# Altium PCB NBRCOR.PcbDoc (continued)
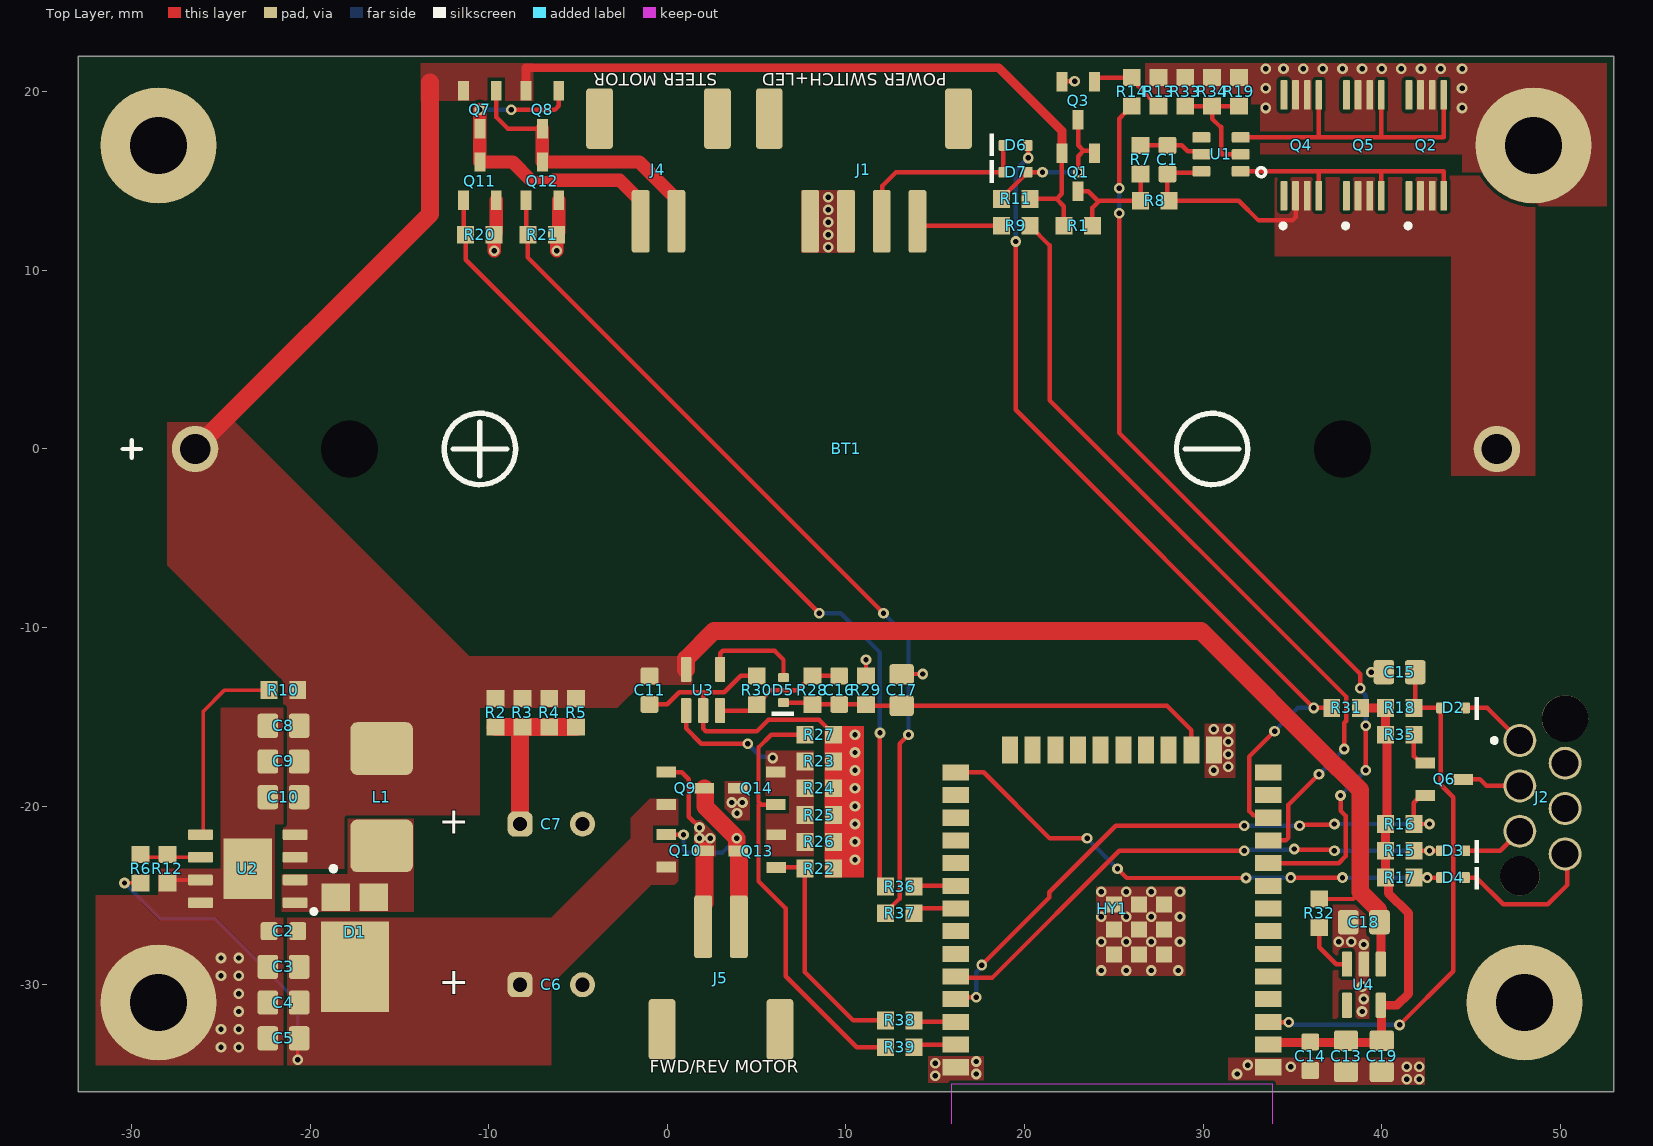
[diagram p0: Top Layer view]
## Part data
BT1: library part CMP-001-0034-5, "Battery Holder 18650 Pc Pin", Max Operating Temperature=180°C, Min Operating Temperature=-40°C, ComponentLink1Description="AliExpress alternative source", ComponentLink1URL=https://www.aliexpress.com/item/33037738446.html, Mounting Technology="Through Hole,PCB", Number of Cells=1, RoHS Compliant=Yes, Series=-, Termination="PC Pin"
C1 C2 C11 C14: library part CMP-072-000593-11, "WCAP-CSGP Multilayer Ceramic Chip Capacitor, General Purpose, size 0603, X7R, 100nF, 25VDC", Capacitor Type=MLCC, Case/Package=0603, Dielectric=X7R, Insulation Resistance=5GO, Max Operating Temperature=125°C, Min Operating Temperature=-55°C, Tolerance=10%, Voltage Rating=25V, ComponentLink1Description="Website Link", ComponentLink1URL=https://www.we-online.com/redexpert/article/885012206071R?ad, ComponentLink2Description="Datasheet Link", ComponentLink2URL=https://www.we-online.com/redexpert/spec/885012206071R?ad, Design Item ID=885012206071R, Dissipation Factor=3.5%, Height=0.8mm, Length=1.6mm, Match Code=WCAP-CSGP, Mounting Technology=SMT, Packaging="Tape and Reel", Pins=2, Source=WCAP-CSGP.SchLib, Technical Reference=X7R0603104K025DFCT20000, Usage="General Purpose", Width=0.8mm
C3 C4 C5 C8 C9 C13 C18 C19: library part CMP-072-000663-12, "WCAP-CSGP Multilayer Ceramic Chip Capacitor, General Purpose, size 0805, X7R, 10µF, 10VDC", Capacitor Type=MLCC, Case/Package=0805, Dielectric=X7R, Insulation Resistance=0.01GO, JLCPCB Part #=C15850, Max Operating Temperature=125°C, Min Operating Temperature=-55°C, Tolerance=10%, Voltage Rating=10V, ComponentLink1Description="Website Link", ComponentLink1URL=https://www.we-online.com/redexpert/article/885012207026?ad, ComponentLink2Description="Datasheet Link", ComponentLink2URL=https://www.we-online.com/redexpert/spec/885012207026?ad, Design Item ID=885012207026, Dissipation Factor=10%, Height=1.25mm, Length=2mm, Match Code=WCAP-CSGP, Mounting Technology=SMT, Packaging="Tape and Reel", Pins=2, Source=WCAP-CSGP.SchLib, Technical Reference=X7R0805106K010DFCT10000, Usage="General Purpose", Width=1.25mm
C6 C7: library part CMP-098-000013-3, "WCAP-PTG5 Aluminum Polymer Capacitor, Radial THT, D8 x H11.5mm, 100µF, 16V", Capacitance=100µF, Capacitance Tolerance=+/-20%, Leakage Current=160µA, Manufacturer="Wurth Elektronik", Operating Temperature Max=105°C, Operating Temperature Min=-55°C, Rated Voltage (DC)=16V, Ripple Current=4800mA, Category="Aluminum Polymer Capacitors", Component Type=Standard, ComponentLink1Description="Website Link", ComponentLink1URL=https://www.we-online.com/redexpert/article/870025374001?ad, ComponentLink2Description="Datasheet Link", ComponentLink2URL=https://www.we-online.com/redexpert/spec/870025374001?ad, Design Item ID=870025374001, Diameter=8mm, Dissipation Factor=8%, Endurance=2000h, ESR=12mO, Height=11.5mm, Manufacturer Part Number=870025374001, Match Code=WCAP-PTG5, Mount="Through Hole", Packaging="Ammo Pack", Pin Count=2, Source=WCAP-PTG5.SchLib, Technical Reference=PTEE115101M016DSPA7B000
C10 C15 C17: library part CMP-072-000659-13, "WCAP-CSGP Multilayer Ceramic Chip Capacitor, General Purpose, size 0805, X7R, 1µF, 10VDC", Capacitor Type=MLCC, Case/Package=0805, Dielectric=X7R, Insulation Resistance=0.5GO, JLCPCB Part #=C28323, Max Operating Temperature=125°C, Min Operating Temperature=-55°C, Tolerance=10%, Voltage Rating=10V, ComponentLink1Description="Website Link", ComponentLink1URL=https://www.we-online.com/redexpert/article/885012207022?ad, ComponentLink2Description="Datasheet Link", ComponentLink2URL=https://www.we-online.com/redexpert/spec/885012207022?ad, Design Item ID=885012207022, Dissipation Factor=5%, Height=1.25mm, Length=2mm, Match Code=WCAP-CSGP, Mounting Technology=SMT, Packaging="Tape and Reel", Pins=2, Source=WCAP-CSGP.SchLib, Technical Reference=X7R0805105K010DFCT10000, Usage="General Purpose", Width=1.25mm
C16: library part CMP-072-000094-12, "WCAP-CSGP Multilayer Ceramic Chip Capacitor, General Purpose, size 0603, NP0, 100pF, 16VDC", Capacitor Type=MLCC, Case/Package=0603, Dielectric=NP0, Insulation Resistance=10GO, Max Operating Temperature=125°C, Min Operating Temperature=-55°C, Tolerance=5%, Voltage Rating=16V, ComponentLink1Description="Website Link", ComponentLink1URL=https://www.we-online.com/redexpert/article/885012006023?ad, ComponentLink2Description="Datasheet Link", ComponentLink2URL=https://www.we-online.com/redexpert/spec/885012006023?ad, Design Item ID=885012006023, Height=0.8mm, Length=1.6mm, Match Code=WCAP-CSGP, Mounting Technology=SMT, Packaging="Tape and Reel", Pins=2, Q Factor=1000, Source=WCAP-CSGP.SchLib, Technical Reference=NP00603101J016DFCT10000, Usage="General Purpose", Width=0.8mm
D1: library part CMP-004-00051-2, "Schottky Rectifier, 45V, 10A, Sot-1289 Rohs Compliant: Yes", Case/Package="TO-277, 3-PowerFDN, SOT1289B", Forward Current=10A, Forward Voltage="540 mV @ 10 A", Max Reverse Voltage (DC)=45V
D2 D3 D4 D5 D6 D7: library part CMP-004-00048-3, "VR=40V IF=200mA 20pF", Case/Package=SOD-523, Forward Current=200mA, Forward Voltage="600 mV @ 200 mA", Max Repetitive Reverse Voltage (Vrrm)=40V, RoHS Compliant=Yes
HY1: library part CMP-00003-4, "WiFi-Modul 802.11/BT 2, 4-2, 5GHz 150Mb/s"
J1: library part CMP-047-000042-2, "WR-WTB SMT Male Horizontal Shrouded Header, pitch 2mm, 4p", Contact Resistance=20mOhm, Operating Temperature="-25 to +85degC", Rated Current=2A, Withstanding Voltage=800VAC, Working Voltage=100VAC, Component Type=Standard, ComponentLink1Description=Manufacturer, ComponentLink1URL=http://www.we-online.de, ComponentLink2Description=Datasheet, ComponentLink2URL=https://www.we-online.com/catalog/datasheet/620104131822.pdf, Design Item ID=620104131822, Gender=Male, Mounting Technology=SMT, Packaging="Tape and Reel", Part Number=620104131822, Pin Count=4, Pin Number=4, Pitch=2mm, Published Date="January 2020", Publisher="Wurth Elektronik", Source=WR-WTB_2.00mm.SchLib, Type=Horizontal
J2: library part CMP-002-000028-7, "WR-WST REDFIT IDC SKEDD, pitch 2.54mm, 6pins", Contact Resistance max.=10mOhm, Operating Temperature="-25 to +105degC", Rated Current=1A, Working Voltage=100V(AC), ComponentLink1Description=Manufacturer, ComponentLink1URL=http://www.we-online.de, ComponentLink2Description=Datasheet, ComponentLink2URL=https://katalog.we-online.com/em/datasheet/490107670612.pdf, Connector Type=Cable,IDC, Contact Plating=Gold, Design Item ID=490107670612, Gender=Transition, Mounting Technology=Press-In, Packaging=Tube, Part Number=490107670612, Pin Number=6, Pitch=2.54mm, Published Date="November 2019", Publisher="Wurth Elektronik", RoHS Compliant=Yes, Series="REDFIT WR-WST", Source=WR-WST.SchLib
J4 J5: library part CMP-047-000040-8, "WR-WTB SMT Male Horizontal Shrouded Header, pitch 2mm, 2p", Contact Resistance=20mOhm, Operating Temperature="-25 to +85degC", Rated Current=2A, Withstanding Voltage=800VAC, Working Voltage=100VAC, Component Type=Standard, ComponentLink1Description=Manufacturer, ComponentLink1URL=http://www.we-online.de, ComponentLink2Description=Datasheet, ComponentLink2URL=https://www.we-online.com/catalog/datasheet/620102131822.pdf, Design Item ID=620102131822, Gender=Male, Mounting Technology=SMT, Packaging="Tape and Reel", Part Number=620102131822, Pin Count=2, Pin Number=2, Pitch=2mm, Published Date="January 2020", Publisher="Wurth Elektronik", Source=WR-WTB_2.00mm.SchLib, Type=Horizontal
L1: library part CMP-086-000079-3, "WE-LHMI SMT Power Inductor, size 7050, 2.2µH, 9.9A, 12mO", Case/Size Code=7050, DC Resistance=11.2mO, DC Resistance Max=12mO, Inductance=2.2µH, Manufacturer="Wurth Elektronik", Operating Temperature Max=125°C, Operating Temperature Min=-40°C, Performance Rated Current=9.9A, Saturation Current @10%=10.5A, Saturation Current @30%=19.1A, Self Resonant Frequency=30MHz, Category="Shielded Power Inductors", Component Type=Standard, ComponentLink1Description="Website Link", ComponentLink1URL=https://www.we-online.com/redexpert/article/74437349022?ad, ComponentLink2Description="Datasheet Link", ComponentLink2URL=https://www.we-online.com/redexpert/spec/74437349022?ad, Design Item ID=74437349022, Height=4.8mm, Length=6.6mm, Manufacturer Part Number=74437349022, Match Code=WE-LHMI, Mount="Surface Mount", Packaging="Tape and Reel", Pin Count=2, Source=WE-LHMI.SchLib, Width=6.6mm
Q1 Q7 Q8 Q9 Q10: library part CMP-013-00056-5, "Trans Mosfet P-ch 30V 4.2A 3-PIN SOT-23 T/r", Case/Package=SOT-23-3, Id - Continuous Drain Current=4.2A, Input Capacitance=1.05nF, JLCPCB Part #=C194253, Max Operating Temperature=150°C, Max Power Dissipation=400mW, Min Operating Temperature=-55°C, Mounting Technology="Surface Mount", Packaging="Cut Tape", Rds On Max=60mR, RoHS Compliant=Yes, Series=-, Transistor Type=PMOS, Vds Max=30V, Vgs(th) (Max) @ Id="-1.3V @ 250µA"
Q2 Q4 Q5: library part CMP-013-00060-3, "Dual common drain NFET for Li-Ion protection"
Q3 Q6: library part CMP-013-00048-9, "NPN Ic=100mA Vceo=65V hfe=200~450 P=225mW SOT-23", Case/Package=SOT-23-3, Ic Max=100mA, Transistor Type=NPN, Vce Max=65V
Q11 Q12 Q13 Q14: library part CMP-013-00054-5, "Trans MOSFET N-CH 20V 4.2A Automotive 3-Pin SOT-23 T/R", Case/Package=SOT-23-3, Continuous Drain Current (ID)=4.2A, Drain to Source Breakdown Voltage=20V, Drain to Source Resistance=25mR, Gate to Source Voltage (Vgs)=8V, Input Capacitance=829.9pF, Max Operating Temperature=150°C, Max Power Dissipation=780mW, Min Operating Temperature=-55°C, Package Quantity=3000, Drain to Source Voltage (Vdss)=20V, Drain-source On Resistance-Max=25mR, Element Configuration=Single, Fall Time=9.6ns, Height=1.1mm, Id - Continuous Drain Current=4.2A, Lead Free="Lead Free", Length=3mm, Mounting Technology="Surface Mount", Number of Channels=1, Number of Elements=1, On-State Resistance=25mR, Packaging="Tape and Reel", Pins=3, Polarity=N-CHANNEL, Power Dissipation=780mW, Rds On Max=25mR, Reach SVHC Compliant=Yes, Rise Time=8.3ns, Series=-, Transistor Type=NMOS, Turn-Off Delay Time=40.1ns, Turn-On Delay Time=8.1ns, Vds Max=20V, Vgs(th) (Max) @ Id="900mV @ 250µA", Weight=0.000282oz, Width=1.4mm
R1 R6 R8 R11 R13 R20 R21 R22 R27 R28 R29 R30: library part CMP-009-00275-7, "Res Thick Film 0603 27K Ohm 1% 0.1W(1/10W) ±100ppm/C Pad SMD Automotive T/R", Case/Package=0603, JLCPCB Part #=C22967, Max Power Dissipation=100mW, Tolerance=1%, Usage="General Purpose"
R2 R3 R4 R5 R10 R32 R36 R37 R38 R39: library part CMP-009-00006-19, "Chip Jumper, Thick Film, Jumper, 0603, 100mW, 1A, 0 Ohm, <50 mOhm", Case/Package=0603, Current Rating=1A, JLCPCB Part #=C21189, Max Operating Temperature=155°C, Min Operating Temperature=-55°C, Power Rating=100mW, Resistor Type="Thick Film", Tolerance="50 mOhm", Voltage Rating=75V, Elements=1, Mounting Technology=SMT, Pins=2, RoHS Compliant=True, Usage=Jumper
R7: library part CMP-009-00232-11, "Chip Resistor, Thick Film, General Purpose, 0603, 63mW, 50V, 100 Ohm, +/-1%", Case/Package=0603, JLCPCB Part #=C22775, Max Operating Temperature=155°C, Min Operating Temperature=-55°C, Power Rating=63mW, Resistor Type="Thick Film", Temperature Coefficient=100ppm/°C, Tolerance=1%, Voltage Rating=50V, Elements=1, Mounting Technology=SMT, Pins=2, RoHS Compliant=Yes, Usage="General Purpose"
R9 R14 R15 R16 R17 R18 R19 R31 R33 R34 R35: library part CMP-009-00243-11, "Chip Resistor, Thick Film, General Purpose, 0603, 100mW, 50V, 3.3 kOhm, +/-1%", Case/Package=0603, JLCPCB Part #=C22978, Max Operating Temperature=155°C, Min Operating Temperature=-55°C, Power Rating=100mW, Resistor Type="Thick Film", Tolerance=1%, Voltage Rating=50V, Elements=1, Mounting Technology=SMT, Pins=2, RoHS Compliant=Yes, Usage="General Purpose"
R12: library part CMP-009-00031-20, "Chip Resistor, Thick Film, General Purpose, 0603, 100mW, 50V, 4.7 kOhm, +/-1%", Case/Package=0603, JLCPCB Part #=C23162, Max Operating Temperature=155°C, Min Operating Temperature=-55°C, Power Rating=100mW, Resistor Type="Thick Film", Tolerance=1%, Voltage Rating=50V, Elements=1, Mounting Technology=SMT, Pins=2, RoHS Compliant=True, Usage="General Purpose"
R23 R24 R25 R26: library part CMP-009-00322-2, "SMD Chip Resistor, 1 Ohm, ± 1%, 100 mW, 0603 [1608 Metric], Thick Film, Anti-Sulfur", Case/Package=0603, Max Operating Temperature=155°C, Max Power Dissipation=100mW, Min Operating Temperature=-55°C, Temperature Coefficient=100ppm/°C, Tolerance=1%, Features="Automotive AEC-Q200,Anti-Sulfur", Height=0.02inch, Length=0.061inch, Number of Terminations=2, Packaging="Cut Tape", RoHS Compliant=Yes, Series=RCA, Width=0.033inch
U1: library part CMP-019-00088-3, "Li-Ion protection IC", Over discharge protection=2.4V
U2: library part CMP-002-001560-3, "3.3V~5V Input 24W Output Step-up DC/DC Converter"
U3: library part CMP-014-00008-4, "General Purpose Amplifier 1 Circuit Rail-to-Rail SOT-23-5", Case/Package=SOT-23-5, Input Bias Current=250nA, Input Offset Voltage (Vos)=7mV, Max Operating Temperature=125°C, Max Supply Voltage=5.5V, Min Operating Temperature=-40°C, Min Supply Voltage=2.7V, Operating Supply Current=130uA, Output Current=160mA, Package Quantity=1, Supply Current=250uA, Voltage Gain=100dB, Amplifier Type="GENERAL PURPOSE", Bandwidth=1MHz, Common Mode Rejection Ratio=50dB, Gain Bandwidth Product=1MHz, Lead Free="Lead Free", Mounting Technology="Surface Mount", Number of Amplifiers=1, Number of Channels=1, Number of Circuits=1, Number of Elements=1, Output Current per Channel=160mA, Packaging="Tape and Reel", Pins=5, Radiation Hardening=No, Reach SVHC Compliant=No, RoHS Compliant=Yes, Series=-, Slew Rate=1V/µs, Technology=BICMOS, Unity Gain Bandwidth Product=1MHz
U4: library part CMP-019-00081-7, "Fixed LDO 3.3V, 1%, 1A, Iq 108uA, -40°C to 85°C", Case/Package=SOT-23-5, Max Input Voltage=6V, Max Operating Temperature=85°C, Min Input Voltage=4V, Min Operating Temperature=-40°C, Output Current=1A, Output Voltage=3.3V, Quiescent Current=108uA, Accuracy=1%, Mount=SMT, Number of Outputs=1, Number of Regulators=1, Output Type=Fixed

## Free pads (board coordinates)
  round 6.5 hole 3.2: 0(-28.5,17) 1(48.5,17) 2(-28.5,-31) 3(48,-31)

## Via types
v1: diameter 0.6, hole 0.3, Top Layer to Bottom Layer, tented both sides, 133 vias

## Nets (pads, with @x,y where several pads share a name; then routed paths per layer and width w, separated by ;. In a path a pad name is that pad's centre, name@x,y a point inside that pad or via, vN(x,y) a via of type N, cw(c..) or ccw(c..) an arc to the next point about the centre after c; other vN are vias at no path point)
+3V3: C13.2 C14.2 C19.1 HY1.2 R15.2 R16.2 R17.2 R18.2 R31.1 R35.2 U4.5 | length 28.3
  Top Layer w0.5: HY1.2 33.763,-33.238 39.887,-33.238 C19.1 39.975,-33.1 39.975,-31.176 U4.5 40.849,-31.151 41.5,-30.5 41.5,-26 40.368,-24.868 40.368,-24.168 R17.2 R15.2 R16.2 40.284,-20.916 40.284,-16.084 R35.2 R18.2 R31.1
+8.4V: C2.1 C3.2 C4.2 C5.2 C6.1 D1.1 Q9.2 Q10.2 R6.2 | length 17.8
  Top Layer w0.2: v1(-30.4,-24.3) R6.2 ; v1(-20.7,-34.2) -20.7,-33.075 C5.2
  Bottom Layer w0.2: v1(-30.4,-24.3) -28.386,-26.314 -25.337,-26.314 -20.7,-30.951 v1(-20.7,-34.2)
BOOTSEL: D4.2 HY1.25 R17.1 | length 30.4
  Top Layer w0.25: HY1.25 17.71,-18.11 21.4,-21.8 v1(23.5,-21.8) ; v1(25.2,-23.5) 25.724,-24.024 v1(32.4,-24.024) ; v1(34.9,-24) v1(37.8,-24) ; R17.1 v1(42.55,-24) D4.2
  Bottom Layer w0.25: v1(23.5,-21.8) v1(25.2,-23.5) ; v1(32.4,-24.024) 32.424,-24 v1(34.9,-24) ; v1(37.8,-24) v1(42.55,-24)
GATE_OC: Q2.5 Q4.5 Q5.5 U1.3 | length 18.5
  Top Layer w0.25: U1.3 36.475,17.45 ; Q4.5 36.475,17.45 ; Q5.5 39.975,17.45 ; Q2.5 43.475,17.45 39.975,17.45 ; 36.475,17.45 39.975,17.45
GATE_OD: Q2.4 Q4.4 Q5.4 U1.1 | length 15.5
  Top Layer w0.25: U1.1 36.475,15.55 ; Q4.4 36.475,15.55 ; Q5.4 39.975,15.55 ; Q2.4 43.475,15.55 39.975,15.55 ; 36.475,15.55 39.975,15.55
GND: C2.2 C3.1 C4.1 C5.1 C6.2 C7.2 C8.1 C9.1 C10.1 C11.2 C13.1 C14.1 C15.1 C17.1 C18.2 C19.2 HY1.1 HY1.15 HY1.38 HY1.39.1 HY1.39.2 HY1.39.3 HY1.39.4 HY1.39.5 HY1.39.6 HY1.39.7 HY1.39.8 HY1.39.9 J1.3 J1.4 J2.4 pad.0 pad.1 pad.2 pad.3 Q2.6 Q2.7 Q3.2 Q4.6 Q4.7 Q5.6 Q5.7 Q11.2 Q12.2 R12.1 R13.1 R19.1 R20.1 R21.1 R22.1 R23.1 R24.1 R25.1 R26.1 R27.1 R29.1 R30.2 R33.1 R34.1 U2.7 U2.8 U2.9 U3.2 U4.2 | length 27.9
  Top Layer w0.2: R12.1 -27.835,-24.135 U2.7
  Top Layer w0.25: C11.2 -0.008,-14.3 0.67,-13.622 2,-13.622 ; R30.2 4.1,-12.7 3.178,-13.622 2,-13.622 ; R27.1 9.3,-15.975 8.5,-15.175 5.638,-15.175 5.013,-15.8 2.146,-15.8 2,-15.654 U3.2 2,-13.622 ; R29.1 v1(11.119,-11.8) ; C17.1 13.144,-12.6 v1(14.3,-12.6) ; Q3.2 22.115,20.6 v1(22.8,20.6) ; v1(39.417,-12.5) C15.1
  Top Layer w0.75: v1(-9.7,11.1) R20.1 -9.7,12.025 -9.585,12.14 Q11.2 ; v1(-6.2,11.1) R21.1 -6.2,12.025 -6.085,12.14 Q12.2
  other v1: 41.4,-35.3 42.1,-35.3 15,-35.1 17.3,-35 31.9,-35 34.9,-34.6 41.4,-34.6 42.1,-34.6 32.5,-34.5 15,-34.4 17.3,-34.3 -25,-33.5 -24,-33.5 -25,-32.5 -24,-32.5 -24,-31.5 38.9,-31.5 39,-30.8 -24,-30.5 38.9,-30.1 -25,-29.5 -24,-29.5 24.3,-29.2 25.7,-29.2 27.1,-29.2 28.6,-29.2 -25,-28.5 -24,-28.5 39,-27.75 24.3,-27.6 25.7,-27.6 27.1,-27.6 28.7,-27.6 37.6,-27.6 38.3,-27.6 24.3,-26.2 25.7,-26.2 27.1,-26.2 28.7,-26.2 24.3,-24.8 25.7,-24.8 27.1,-24.8 28.7,-24.8 10.5,-23 10.5,-22 10.5,-21 10.5,-20 10.5,-19 10.5,-18 30.6,-18 31.4,-17.8 31.4,-17.1 10.5,-17 31.4,-16.4 10.5,-16 30.6,-15.7 31.4,-15.7 9,11.3 9,12 9,12.7 9,13.4 9,14.1 33.5,19.1 44.5,19.1 33.5,20.2 44.5,20.2 33.5,21.3 34.5,21.3 35.6,21.3 36.7,21.3 37.8,21.3 38.9,21.3 40,21.3 41.1,21.3 42.2,21.3 43.3,21.3 44.5,21.3
ISNS: C16.2 C17.2 D5.1 HY1.16 R28.1 R29.2 | length 24.6
  Top Layer w0.25: D5.1 8.019,-14.2 R28.1 C16.2 R29.2 11.194,-14.375 C17.2 27.975,-14.375 29.34,-15.74 HY1.16
MOT1.IN1: Q13.1 R22.2 R38.1 | length 13.1
  Top Layer w0.25: Q13.1@6.07,-23.415 7.615,-23.415 R22.2 7.7,-29.3 10.4,-32 R38.1
MOT1.IN2: Q14.1 R27.2 R39.1 | length 24.6
  Top Layer w0.25: Q14.1 5.246,-19.915 ; R27.2 5.812,-16 5.1,-16.712 5.1,-19.769 5.173,-19.842 5.246,-19.915 ; R39.1 10.6,-33.5 6.63,-29.53 6.63,-25.73 5.1,-24.2 5.1,-19.915 5.246,-19.915
MOT2.IN1: Q11.1 R20.2 R36.1 | length 48.9
  Top Layer w0.25: Q11.1 -11.415,12.115 R20.2 -11.3,10.6 v1(8.5,-9.2) ; v1(11.9,-15.9) 11.9,-24.2 R36.1
  Bottom Layer w0.25: v1(8.5,-9.2) 9.7,-9.2 11.9,-11.4 v1(11.9,-15.9)
MOT2.IN2: Q12.1 R21.2 R37.1 | length 49.4
  Top Layer w0.25: Q12.1 -7.915,12 -7.825,12 -7.825,10.725 v1(12.1,-9.2) ; R37.1 12.2,-25.975 13,-25.175 13,-16.499 v1(13.5,-15.999)
  Bottom Layer w0.25: v1(12.1,-9.2) 13.5,-10.6 v1(13.5,-15.999)
NetBT1_2: BT1.2 C1.2 Q2.2 Q2.3 Q4.2 Q4.3 Q5.2 Q5.3 R8.2 U1.6 | length 12.3
  Top Layer w0.25: U1.6 29.825,15.475 28.075,15.475 C1.2 28,14 R8.2 32,13.9 33.1,12.8 35,12.8 35.175,12.975 Q4.2
NetC1_1: C1.1 R7.2 U1.5 | length 3.6
  Top Layer w0.25: R7.2 C1.1 28.8,17 29.135,16.665 29.735,16.665 U1.5
NetC7_1: C7.1 R2.1 R3.1 R4.1 R5.1 | length 9.9
  Top Layer w1: R2.1 R3.1@-8.25,-15.562 ; C7.1 R3.1@-8.25,-15.562 ; R5.1 R4.1 R3.1 R3.1@-8.25,-15.562
NetC16_1: C16.1 R28.2 R30.1 U3.3 | length 7.9
  Top Layer w0.25: U3.3@3.113,-14.3 2.95,-14.463 U3.3 4.624,-14.651 4.975,-14.3 R30.1 5.025,-14.3 5.825,-13.5 7.294,-13.5 8.094,-12.7 R28.2 C16.1
NetD1_2: D1.2 L1.1 U2.1 U2.2
NetD2_1: D2.1 J2.1 | length 3.8
  Top Layer w0.25: D2.1 45.905,-14.5 J2.1
NetD3_1: D3.1 J2.5 | length 3.5
  Top Layer w0.25: D3.1 46.635,-22.5 J2.5
NetD4_1: D4.1 J2.6 | length 8.6
  Top Layer w0.25: D4.1 45.3,-24 46.8,-25.5 49.3,-25.5 50.4,-24.4 50.4,-22.805 J2.6
NetD5_2: D5.2 U3.4 | length 5.7
  Top Layer w0.25: U3.4 2.95,-11.446 3.096,-11.3 6,-11.3 6.5,-11.8 D5.2
NetD6_1: D6.1 D7.1 J1.2 | length 10.6
  Top Layer w0.25: J1.2 12.029,12.779 12.029,14.729 12.8,15.5 D7.1 D6.1
NetD7_2: D7.2 Q1.1 Q3.3 R11.1 | length 8.8
  Top Layer w0.25: R11.1 18.7,14.025 20,15.325 20.075,15.325 20.2,15.45 D7.2 v1(21,15.5) ; v1(23,15.5) 23,16.4 23.3,16.7 ; Q3.3 23,17 23.3,16.7 ; Q1.1 23.785,16.7 23.3,16.7
  Bottom Layer w0.25: v1(21,15.5) v1(23,15.5)
NetHY1_30: HY1.30 R36.2 | length 2.4
  Top Layer w0.25: R36.2 13.84,-24.46 HY1.30
NetHY1_31: HY1.31 R37.2 | length 2.5
  Top Layer w0.25: R37.2 14.07,-25.73 HY1.31
NetHY1_36: HY1.36 R38.2 | length 2.4
  Top Layer w0.25: R38.2 13.88,-32.08 HY1.36
NetHY1_37: HY1.37 R39.2 | length 2.4
  Top Layer w0.25: R39.2 13.95,-33.35 HY1.37
NetJ1_1: J1.1 R9.1 | length 4.8
  Top Layer w0.25: J1.1 14.25,12.5 R9.1
NetJ2_3: J2.3 Q6.3 | length 3.3
  Top Layer w0.25: Q6.3 45.5,-18.5 45.865,-18.865 J2.3
NetJ4_1: J4.1 Q7.1 Q8.3 Q12.3 | length 15.8
  Top Layer w0.25: Q7.1 -9.585,18.585 -8.93,17.93 Q8.3
  Top Layer w0.75: Q8.3 Q12.3 -1.57,16.07 0.5,14 J4.1
NetJ4_2: J4.2 Q7.3 Q8.1 Q11.3 | length 19.4
  Top Layer w0.25: v1(-8.75,19) -6.3,19 -6.085,19.215 Q8.1
  Top Layer w0.5: -7.643,15.05 -6.357,15.05
  Top Layer w0.75: v1(-10.5,19) Q7.3 Q11.3 -8.663,16.07 -7.643,15.05 ; -6.357,15.05 -2.675,15.05 -1.75,14.125 -1.625,14.125 -1.5,14 J4.2
  Bottom Layer w0.25: v1(-10.5,19) v1(-8.75,19)
NetJ5_1: J5.1 Q9.1 Q10.3 Q14.3 | length 8.7
  Top Layer w0.25: Q9.1 -0.055,-18.1 0.8,-18.1 1.2,-18.5 1.2,-20.6 v1(1.8,-21.2)
  Top Layer w1: J5.1 2,-25.5 2.07,-25.43 Q10.3
  other v1: 1.8,-21.8 2.4,-21.8 3.9,-20.4 3.6,-19.8 4.2,-19.8
NetJ5_2: J5.2 Q9.3 Q10.1 Q13.3 | length 13.7
  Top Layer w0.25: Q10.1 -0.063,-21.592 0.893,-21.592 v1(0.9,-21.6)
  Top Layer w1: Q9.3 2.115,-19.045 2.115,-20.029 v1(3.885,-21.799) 3.885,-22.455 Q13.3@3.93,-22.5 ; J5.2 Q13.3@4,-22.57
  Bottom Layer w0.25: v1(0.9,-21.6) 0.9,-22.454 1.046,-22.6 3.084,-22.6 v1(3.885,-21.799)
NetQ1_3: Q1.3 R1.1 R7.1 R8.1 | length 6.8
  Top Layer w0.25: Q1.3 23.57,14.43 24.1,13.9 24.2,13.9 ; R1.1 23.8,13.5 24.2,13.9 ; R7.1 R8.1 24.2,13.9
NetQ2_1: Q2.1 Q2.8
NetQ3_1: Q3.1 R13.2 R14.1 | length 4.6
  Top Layer w0.25: Q3.1 23.915,20.8 R14.1 26.025,20.8 26.375,20.45 26.375,20.3 27.475,19.2 R13.2
NetQ4_1: Q4.1 Q4.8
NetQ5_1: Q5.1 Q5.8
NetQ6_1: Q6.1 R35.1 | length 2
  Top Layer w0.25: R35.1 41.8,-17.195 42.19,-17.585 Q6.1
NetQ13_2: Q13.2 Q14.2 R23.2 R24.2 R25.2 R26.2 U3.1 | length 6.5
  Top Layer w0.25: U3.1 1.05,-15.65 1.9,-16.5 v1(4.5,-16.5)
  Bottom Layer w0.25: v1(4.5,-16.5) 5.233,-17.233 5.833,-17.233 v1(5.9,-17.3)
NetR6_1: R6.1 R12.2 U2.6 | length 3.4
  Top Layer w0.2: R6.1 -29.335,-22.865 U2.6
NetR10_1: R10.1 U2.5 | length 11.2
  Top Layer w0.2: U2.5 -26,-21.445 -26,-14.7 -24.8,-13.5 R10.1
NetR19_2: R19.2 R33.2 R34.2 U1.2 | length 7
  Top Layer w0.25: R33.2 R34.2 ; R19.2 R34.2 ; U1.2 31,16.5 31,18.054 30.946,18.054 30.5,18.5 R34.2
NetR32_2: R32.2 U4.3 | length 3
  Top Layer w0.25: R32.2 36.5,-27.9 37.449,-28.849 U4.3
PWR.LED: HY1.11 R9.2 | length 44.1
  Top Layer w0.25: R9.2 21.4,11.4 21.4,2.735 38,-13.865 38,-15.235 37.9,-15.335 v1(37.9,-16.8) ; HY1.11 34.629,-21.92 34.775,-21.774 34.775,-19.925 v1(36.486,-18.214)
  Bottom Layer w0.25: v1(36.486,-18.214) v1(37.9,-16.8)
PWR.PWREN: HY1.10 R14.2 | length 53.3
  Top Layer w0.25: v1(25.3,13.2) 25.3,0.9 38.8,-12.6 v1(38.8,-13.4) ; v1(25.3,14.6) 25.3,18.5 25.625,18.825 25.625,18.85 25.975,19.2 R14.2 ; HY1.10 37.585,-23.19 37.975,-22.8 37.975,-20.538 37.693,-20.256 v1(37.693,-19.407) ; v1(39.1,-15.5) 39.104,-15.504 39.104,-17.989 v1(39.107,-17.993)
  Bottom Layer w0.25: v1(25.3,13.2) v1(25.3,14.6) ; v1(37.693,-19.407) v1(39.107,-17.993) v1@39.2,-17.9 ; v1(38.8,-13.4) 38.8,-13.495 39.1,-13.795 v1(39.1,-15.5)
PWR.SWITCH: D6.2 HY1.12 R31.2 | length 48.7
  Top Layer w0.25: v1(19.5,11.62) 19.5,2.2 v1(36.2,-14.5) R31.2 ; v1(20.2,16.3) D6.2 ; HY1.12 33.5,-20.5 32.8,-20.5 32.575,-20.275 32.575,-17.225 v1(34,-15.8)
  Bottom Layer w0.25: v1(19.5,11.62) 19.5,15.6 v1(20.2,16.3) ; v1(34,-15.8) 35.3,-14.5 v1(36.2,-14.5)
RST: C15.2 D2.2 HY1.3 R18.1 | length 30.2
  Top Layer w0.25: HY1.3 33.67,-32.1 v1(34.8,-32.1) ; v1(41,-32.25) 44,-29.25 44,-19.5 43.3,-18.8 D2.2 R18.1 41.875,-14.425 C15.2
  Bottom Layer w0.25: v1(34.8,-32.1) 34.895,-32.1 35.045,-32.25 v1(41,-32.25)
UART.RX: D3.2 HY1.34 R15.1 | length 31.1
  Top Layer w0.25: HY1.34 16.21,-29.6 18.2,-29.6 25.3,-22.5 v1(32.3,-22.5) ; v1(35.1,-22.4) 35.15,-22.45 37.3,-22.45 v1(37.35,-22.5) ; R15.1 v1(42.675,-22.5) D3.2
  Bottom Layer w0.25: v1(32.3,-22.5) 32.35,-22.45 35.05,-22.45 v1(35.1,-22.4) ; v1(37.35,-22.5) v1(42.675,-22.5)
UART.TX: HY1.35 Q6.2 R16.1 | length 34.5
  Top Layer w0.25: HY1.35 16.26,-30.7 v1(17.3,-30.7) ; v1(17.6,-28.9) 21.383,-25.117 21.383,-24.817 25.1,-21.1 v1(32.3,-21.1) ; v1(35.4,-21.1) 35.45,-21.05 37.3,-21.05 v1(37.35,-21) ; Q6.2 42.19,-19.415 41.8,-19.805 R16.1 v1(42.675,-21)
  Bottom Layer w0.25: v1(17.3,-30.7) 17.3,-29.295 17.6,-28.995 v1(17.6,-28.9) ; v1(32.3,-21.1) v1(35.4,-21.1) ; v1(37.35,-21) v1(42.675,-21)
VBAT: BT1.1 C8.2 C9.2 C10.2 C11.1 C18.1 L1.2 Q1.2 Q7.2 Q8.2 R1.2 R2.2 R3.2 R4.2 R5.2 R10.2 R11.2 R32.1 U2.3 U2.4 U3.5 U4.1 | length 121.2
  Top Layer w0.25: R11.2 21.8,14 ; Q1.2 22.085,14.285 21.8,14 ; R1.2 22.2,13.6 21.8,14 ; R32.1 38.4,-25.2 38.8,-24.8
  Top Layer w0.5: Q8.2 -7.915,21.335 -7.9,21.35 18.55,21.35 22.085,17.815 Q1.2 ; U4.1 C18.1@39.95,-26.5
  Top Layer w1: BT1.1 -13.3,13.15 -13.3,20.514 ; U3.5 1.05,-11.75 2.6,-10.2 29.886,-10.2 37.586,-17.9 37.6,-17.9 38.8,-19.1 38.8,-24.8 39.8,-25.8 39.8,-26.35 C18.1@39.95,-26.5
pads on no net: BT1.3 BT1.4 HY1.4 HY1.5 HY1.6 HY1.7 HY1.8 HY1.9 HY1.13 HY1.14 HY1.17 HY1.18 HY1.19 HY1.20 HY1.21 HY1.22 HY1.23 HY1.24 HY1.26 HY1.27 HY1.28 HY1.29 HY1.32 HY1.33 J1.MP1 J1.MP2 J2.2 J2.MH1 J2.MH2 J4.MP1 J4.MP2 J5.MP1 J5.MP2 U1.4 U4.4

## Polygon pours and split planes (outlines as drawn)
GND on Top Layer "NONET_L-01_P-001" (solid, remove dead copper, pour order 13): 26.75,21.9 52.9,21.9 52.9,13.6 44.5,13.6 44.5,16.5 33.2,16.5 33.2,19.3 26.75,19.3
GND on Top Layer "GND_L01_P018" (solid, remove dead copper, pour order 18): 14.6,-34 17.7,-34 17.7,-35.5 14.6,-35.5
GND on Top Layer "GND_L01_P017" (solid, remove dead copper, pour order 17): 30.1,-15.4 30.1,-18.4 31.8,-18.4 31.8,-15.4
GND on Top Layer "GND_L01_P016" (solid, remove dead copper, pour order 16): 37.25,-25.5 37.25,-31.9 39.3,-31.9 39.3,-25.5
GND on Top Layer "GND_L01_P015" (solid, remove dead copper, pour order 15): 7.5,14.5 7.5,11 10.5,11 10.5,14.5
VBAT on Top Layer "VBAT_L01_P014" (solid, remove dead copper, pour order 14): -13.8,21.6 -13.8,19.5 -7.5,19.5 -7.5,21.6
NetBT1_2 on Top Layer "NONET_L-01_P-001" (solid, remove dead copper, pour order 12): 34,15.3 48.6,15.3 48.6,-1.5 43.9,-1.5 43.9,10.8 34,10.8
GND on Top Layer "NONET_L-01_P-001" (solid, pour order 11): 31.4,-34.1 42.4,-34.1 42.4,-36 31.4,-36
GND on Top Layer "NONET_L-01_P-001" (solid, pour order 10): 24,-24.5 24,-29.5 29,-29.5 29,-24.5
GND on Top Layer "NONET_L-01_P-001" (solid, remove dead copper, pour order 1): -21.5,-14.5 -21.5,-21 -22,-21 -22,-26.25 -21.5,-26.25 -21.5,-34.5 -32,-34.5 -32,-25 -28.5,-25 -28.5,-23.5 -25,-23.5 -25,-20.25 -25,-14.5
NetQ13_2 on Top Layer "NETQ13_2_L01_P008" (solid, remove dead copper, pour order 8): 5.5,-16.9 5.5,-22.8 8.2,-22.8 8.2,-16.9
NetJ5_1 on Top Layer "NONET_L-01_P-001" (solid, remove dead copper, pour order 5): 1.5,-20.8 2.7,-20.8 2.7,-22.8 1.5,-22.8
NetJ5_1 on Top Layer "NETJ5_1_L01_P004" (solid, remove dead copper, pour order 4): 3.2,-18.6 3.2,-20.8 4.6,-20.8 4.6,-18.6
+8.4V on Top Layer "NONET_L-01_P-001" (solid, remove dead copper, pour order 3): 0.6,-24.2 0.4,-24.4 -0.9,-24.4 -6.5,-30 -6.5,-34.5 -21.5,-34.5 -21.5,-26.25 -6.5,-26.25 -2.05,-21.8 -2.05,-20.65 -1,-19.6 0.6,-19.6
VBAT on Top Layer "NONET_L-01_P-001" (solid, remove dead copper, pour order 2): -21.5,-13 -28,-6.5 -28,1.5 -24.2,1.5 -11.1,-11.6 1.4,-11.6 1.4,-13.2 -1.5,-13.2 -2.8,-14.5 -10.5,-14.5 -10.5,-20.5 -18,-20.5 -18,-23.5 -21.5,-23.5
NetD1_2 on Top Layer "NONET_L-01_P-001" (solid, remove dead copper, pour order 0): -21.6,-23.8 -17.9,-23.8 -17.9,-20.7 -14.2,-20.7 -14.2,-25.9 -21.6,-25.9
GND on Bottom Layer "GND_L02_P019" (solid, remove dead copper, pour order 19): -33,-36 -33,22 53,22 53,-36
NetJ5_1 on Bottom Layer "NETJ5_1_L02_P007" (solid, pour order 7): 1.5,-22.1 2.6,-22.1 4.5,-20.2 4.5,-19.5 3,-19.5 1.5,-21

## Other copper
Top Layer:
  rectangle net GND: 8.8,-24 11,-15.5

## Silkscreen, mask and mechanical layers (free items; w line width, h text height)
Top Overlay:
  text "STEER MOTOR" at 2.798,21.282 h1.2 r180
  text "POWER SWITCH+LED" at 15.643,21.282 h1.2 r180
  text "FWD/REV MOTOR" at -0.999,-35.173 h1.2
Bottom Overlay:
  text ".board_name" at 33,18 h2.5
  text ".project_revision" at 33,15 h2.5
Board:
  the board outline again, w0.1

## Dimensions
-33,22 to 53,22 on Dimensions
-33,-36 to -33,22 on Dimensions

## Text inside footprints (layer, text, board x,y; h text height)
C6: Top Overlay "+" at -11.1,-29.25 h1.5 r180
C7: Top Overlay "+" at -11.1,-20.25 h1.5 r180